# Altium PCB main_board.PcbDoc (part 1 of 2)
Units mil, origin at the board's own origin, x right, y up, seen from the top; angles counter-clockwise.
Board outline 8661.42 x 3543.31 mil, 2 copper layers (Top Layer, Bottom Layer); 79 components, 95 nets, 441 pads, 199 vias.
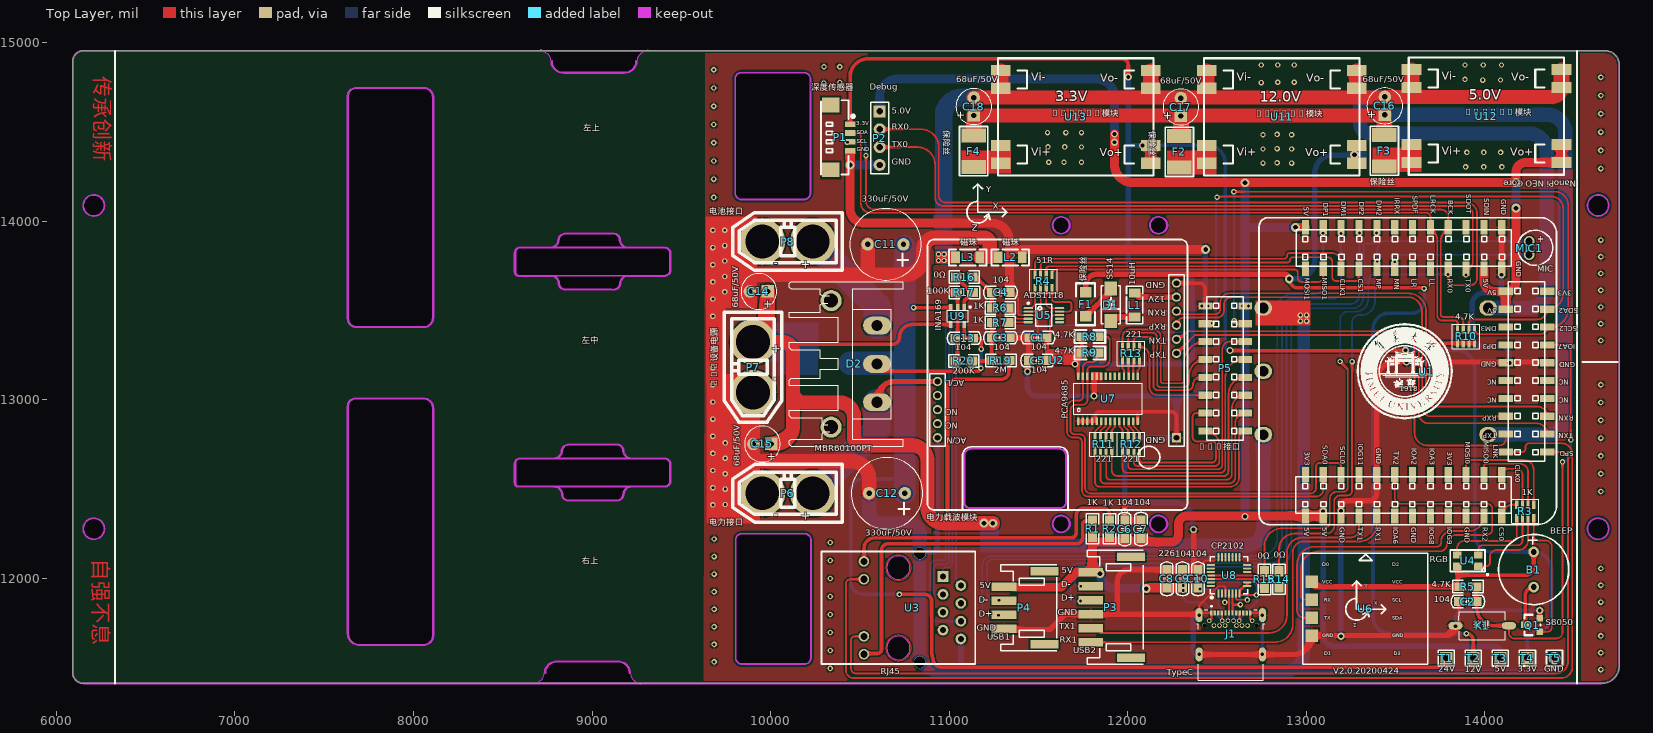
[diagram p0: Top Layer view]
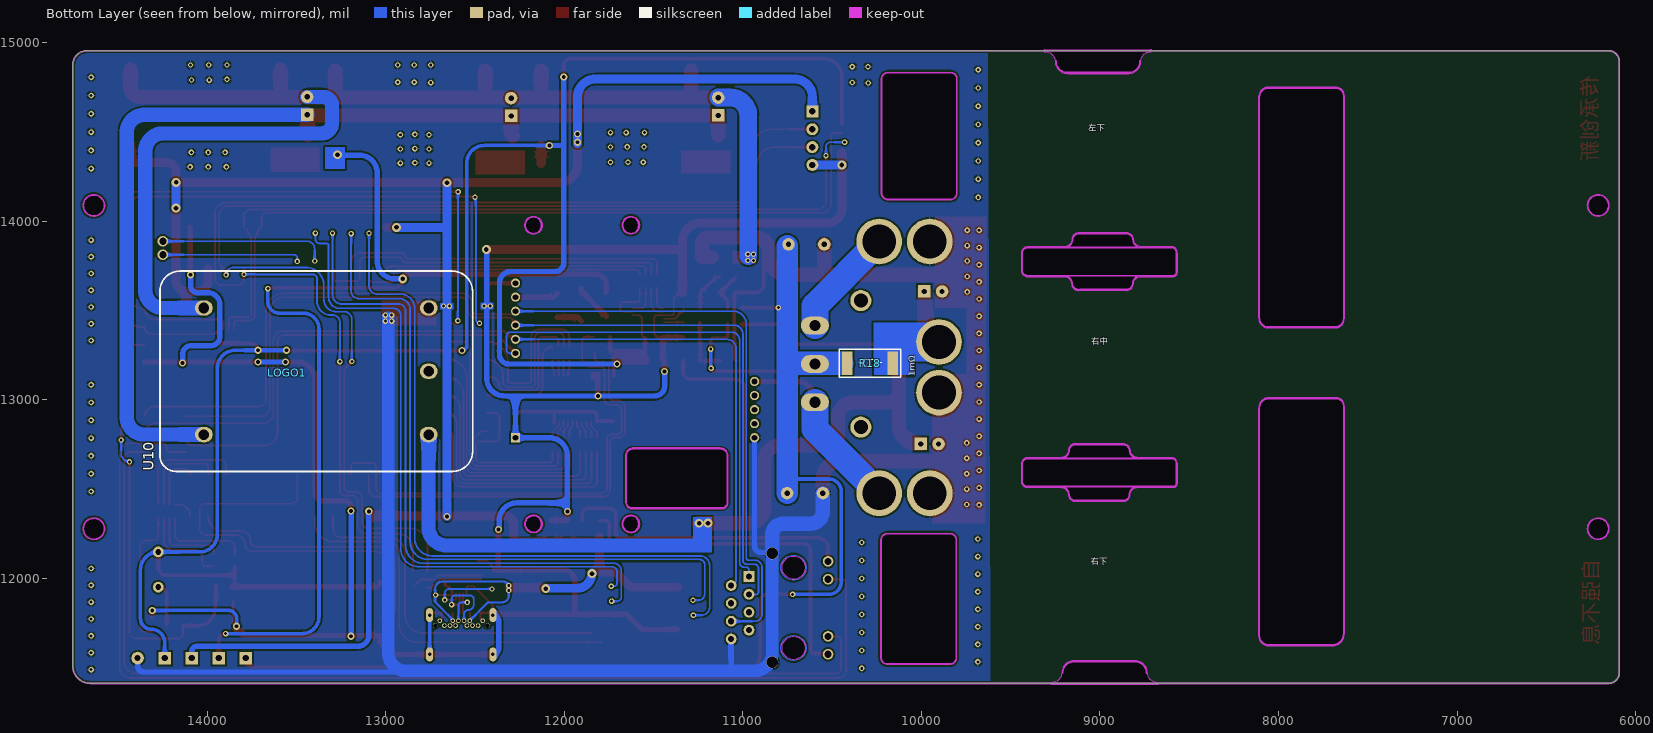
[diagram p1: Bottom Layer view, seen from below]

## Layer stack, top to bottom
Top Solder: solder mask 0.4, Solder Resist, Dk 3.5
Top Layer: signal copper 1.4
Dielectric 1: dielectric 12.6, FR-4, Dk 4.8
Bottom Layer: signal copper 1.4
Bottom Solder: solder mask 0.4, Solder Resist, Dk 3.5

## Board outline
6150.67,11411.02 cw(c6150.67,11470.08) 6091.61,11470.08 6091.61,14895.28 cw(c6150.67,14895.28) 6150.67,14954.33 14674.29,14954.33 cw(c14674.29,14875.59) 14753.03,14875.59 14753.03,11509.45 cw(c14654.61,11509.45) 14654.61,11411.02
cut-out: 7629.91,11689.2 7629.91,12965.72 cw(c7674.71,12965.72) 7674.71,13010.53 8060.12,13010.53 cw(c8060.12,13005.51) 8061.76,13010.25 cw(c8056.18,12954.33) 8112.38,12954.33 8112.38,11678.34 cw(c8056.58,11678.34) 8056.58,11622.54 7696.56,11622.54 cw(c7696.56,11689.2)
cut-out: 7629.91,13454.01 7629.91,14702.71 cw(c7677.88,14702.71) 7677.88,14750.68 8056.18,14750.68 cw(c8056.18,14694.49) 8112.1,14700.07 cw(c8107.36,14698.43) 8112.38,14698.43 8112.38,13457.87 cw(c8056.58,13457.87) 8056.58,13402.07 7681.84,13402.07 cw(c7681.84,13454.01)
cut-out: 14575.87,14088.19 ccw(c14634.92,14088.19) 14634.92,14029.13 ccw(c14634.92,14088.19) 14693.98,14088.19 ccw(c14634.92,14088.19) 14634.92,14147.24 ccw(c14634.92,14088.19)
cut-out: 14575.87,12277.17 ccw(c14634.92,12277.17) 14634.92,12218.11 ccw(c14634.92,12277.17) 14693.98,12277.17 ccw(c14634.92,12277.17) 14634.92,12336.22 ccw(c14634.92,12277.17)
cut-out: 6209.72,12218.11 cw(c6209.72,12277.17) 6150.67,12277.17 cw(c6209.72,12277.17) 6209.72,12336.22 cw(c6209.72,12277.17) 6268.78,12277.17 cw(c6209.72,12277.17)
cut-out: 6209.72,14029.13 cw(c6209.72,14088.19) 6150.67,14088.19 cw(c6209.72,14088.19) 6209.72,14147.24 cw(c6209.72,14088.19) 6268.78,14088.19 cw(c6209.72,14088.19)
cut-out: 8829.73,12466.79 ccw(c8788.9,12467.54) 8829.74,12467.54 ccw(c8788.9,12467.54) 8789.7,12508.37 ccw(c8788.9,12467.54) 8789.66,12508.37 8789.7,12508.37 8590.35,12508.37 cw(c8590.35,12533.07) 8565.65,12533.07 8565.65,12643.31 cw(c8598.23,12643.31) 8598.23,12675.88 8785.6,12675.88 cw(c8786.75,12671) 8786.82,12676.01 ccw(c8787.4,12717.35) 8828.73,12716.76 cw(c8833.75,12716.69) 8828.79,12717.42 cw(c8871.25,12711.19) 8877.1,12753.71 9134.5,12753.71 cw(c9138.25,12714.19) 9177.74,12718.2 cw(c9172.75,12717.69) 9177.76,12717.69 cw(c9172.75,12717.69) 9177.76,12717.6 ccw(c9218.59,12716.85) 9217.84,12676.01 cw(c9217.75,12671) 9218.9,12675.88 9403.49,12675.88 cw(c9403.49,12637.54) 9441.83,12637.54 9441.83,12544.21 cw(c9405.99,12544.21) 9405.99,12508.37 9219.48,12508.37 ccw(c9220.09,12467.04) 9178.76,12467.62 ccw(c9173.75,12467.69) 9178.76,12467.69 9178.76,12467.62 cw(c9173.75,12467.69) 9178.71,12466.97 cw(c9136.25,12473.19) 9130.39,12430.68 8872.99,12430.68 cw(c8869.25,12470.19) 8829.76,12466.19 cw(c8834.75,12466.69)
cut-out: 8811.73,13647.79 ccw(c8770.9,13648.54) 8811.74,13648.54 ccw(c8770.9,13648.54) 8771.66,13689.37 cw(c8771.75,13694.39) 8770.74,13689.47 8590.35,13689.47 cw(c8590.35,13714.17) 8565.65,13714.17 8565.65,13824.41 cw(c8598.23,13824.41) 8598.23,13856.98 8767.19,13856.98 cw(c8767.75,13852) 8767.82,13857.01 ccw(c8768.4,13898.35) 8809.73,13897.76 cw(c8814.75,13897.69) 8809.79,13898.42 cw(c8852.25,13892.19) 8858.1,13934.71 9115.5,13934.71 cw(c9119.25,13895.19) 9158.74,13899.2 cw(c9153.75,13898.69) 9158.76,13898.69 cw(c9153.75,13898.69) 9158.76,13898.6 ccw(c9199.59,13897.85) 9198.84,13857.01 cw(c9198.75,13852) 9199.31,13856.98 9403.49,13856.98 cw(c9403.49,13818.65) 9441.83,13818.65 9441.83,13725.31 cw(c9405.99,13725.31) 9405.99,13689.47 9203.76,13689.47 cw(c9202.75,13694.39) 9202.68,13689.37 ccw(c9202.09,13648.04) 9160.76,13648.62 ccw(c9155.75,13648.69) 9160.76,13648.69 9160.76,13648.62 cw(c9155.75,13648.69) 9160.71,13647.97 cw(c9118.25,13654.19) 9112.39,13611.68 8854.99,13611.68 cw(c8851.25,13651.19) 8811.76,13647.19 cw(c8816.75,13647.69)
cut-out: 8674.49,11405.68 cw(c8674.75,11410.69) 8675.01,11415.7 ccw(c8677.92,11471.36) 8733.57,11468.32 cw(c8803.47,11468.19) 8803.47,11538.09 9144.96,11538.09 cw(c9144.96,11468.19) 9214.86,11468.24 ccw(c9268.38,11469.56) 9269.6,11416.04 ccw(c9268.38,11469.56) 9269.63,11416.04 9269.6,11416.04 cw(c9269.75,11411.02) 9274.76,11411.02 cw(c9269.75,11411.02) 9273.28,11407.46 cw(c9269.75,11411.02) 9269.87,11406.01 cw(c9268.38,11469.56) 9267.66,11406 ccw(c9269.42,11410.69) 9272.96,11407.15
cut-out: 9310.51,14959.32 cw(c9310.25,14954.31) 9309.99,14949.3 ccw(c9307.08,14893.64) 9251.43,14896.68 cw(c9181.53,14896.81) 9181.53,14826.91 8840.04,14826.91 cw(c8840.04,14896.81) 8770.14,14896.76 ccw(c8716.62,14895.44) 8715.4,14948.96 ccw(c8716.62,14895.44) 8715.37,14948.96 8715.4,14948.96 cw(c8715.25,14953.98) 8710.24,14953.98 cw(c8715.25,14953.98) 8711.72,14957.54 cw(c8715.25,14953.98) 8715.13,14958.99 cw(c8716.62,14895.44) 8717.34,14959 ccw(c8715.58,14954.31) 8712.04,14957.85
cut-out: 11631.38,13929.87 cw(c11631.38,13977.12) 11584.13,13977.12 cw(c11631.38,13977.12) 11631.38,14024.36 cw(c11631.38,13977.12) 11678.62,13977.12 cw(c11631.38,13977.12)
cut-out: 12176.65,13929.87 cw(c12176.65,13977.12) 12129.41,13977.12 cw(c12176.65,13977.12) 12176.65,14024.36 cw(c12176.65,13977.12) 12223.9,13977.12 cw(c12176.65,13977.12)
cut-out: 12176.65,12256.85 cw(c12176.65,12304.09) 12129.41,12304.09 cw(c12176.65,12304.09) 12176.65,12351.34 cw(c12176.65,12304.09) 12223.9,12304.09 cw(c12176.65,12304.09)
cut-out: 11631.38,12256.85 cw(c11631.38,12304.09) 11584.13,12304.09 cw(c11631.38,12304.09) 11631.38,12351.34 cw(c11631.38,12304.09) 11678.62,12304.09 cw(c11631.38,12304.09)
cut-out: 9801.94,14155.86 9801.94,14798.65 cw(c9834.94,14798.65) 9834.94,14831.65 10186.95,14831.65 cw(c10186.95,14795.23) 10223.36,14795.23 10223.36,14158.46 cw(c10186.36,14158.46) 10186.36,14121.46 9836.34,14121.46 cw(c9836.34,14155.86)
cut-out: 9804.94,11553 9804.94,12216.39 cw(c9837.94,12216.39) 9837.94,12249.39 10189.95,12249.39 cw(c10189.95,12212.97) 10226.36,12212.97 10226.36,11556.2 cw(c10189.36,11556.2) 10189.36,11519.2 9839.34,11519.2 cw(c9839.34,11553.6)

## Design rules (kind name [scope] priority, off if disabled: settings)
Clearance Clearance_1 [All] p1: gap=10
PolygonConnect [All] p1: connectstyle=Relief reliefconductorwidth=10 reliefentries=4 polygonreliefangle="90 Angle" airgapwidth=10
RoutingVias [All] p1: holewidth=28 width=50 viastyle="Through Hole" minholewidth=28 minwidth=50 maxholewidth=28 maxwidth=50
SolderMaskExpansion [All] p1: expansion=4
Width [All] p1: maxlimit=200 minlimit=5 preferedwidth=10 minimp=50.000000 maximp=50.000000 favimp=50.000000
30 further rules are at their usual default settings.

## Classes and differential pairs
component class core: D1 F1 L1 R1 R2 U1 U2 U3
component class power: C11 C12 C13 C14 C15 C16 C17 C18 D2 F2 F3 F4 F? L2 L3 P6 P7 P8 R16 R17 R18 R19 R20 T1 T2 T3 T4 T5 U9 U10 U11 U12 U13 U?
component class devices: B1 C1 C2 C3 C4 C5 C6 C7 C8 C9 C10 J1 K1 MIC1 P1 P2 P3 P4 P5 Q1 R3 R4 R5 R6 R7 R8 R9 R10 R11 R12 R13 R14 R15 R? U4 U5 U6 U7 U8
component class main: LOGO1

## Components (designator, comment, footprint, x,y, rotation, side; value= is the part's Value field where it differs from the comment)
B1 "BEEP" BUZZER 14274,12049 r270 top
C1 "104" 0805C 11547,13343 r180 top
C2 "104" 0805C 13856,11874 r0 top
C3 "104" 0805C 11337.18,13342.39 r180 top
C4 "104" 0805C 11337.18,13596.39 r180 top
C5 "104" 0805C 11447,13224 r0 top
C6 "104" 0805C 11979,12226 r90 top
C7 "104" 0805C 12070,12226 r90 top
C8 "226" 0805C 12224,12046 r270 top
C9 "104" 0805C 12312,12046 r270 top
C10 "104" 0805C 12398,12046 r270 top
C11 "330uF/50V" RB.2.4 10744.09,13870.08 r180 top
C12 "330uF/50V" RB.2.4 10751.97,12476.38 r180 top
C13 "104" 0805C 11035,13349 r0 top
C14 "68uF/50V" RB.1.2 9984.25,13606.3 r180 top
C15 "68uF/50V" RB.1.2 10003.94,12751.97 r180 top
C16 "68uF/50V" RB.1.2 13440,14596 r90 top
C17 "68uF/50V" RB.1.2 12298,14589 r90 top
C18 "68uF/50V" RB.1.2 11138,14592 r90 top
D1 "SS14" SMA/DO-214AC 11904,13615 r270 top
D2 "MBR60100PT" TO-247LS 10338.58,12846.46 r90 top
F1 "保险丝" FUSE-1206 11764,13597 r270 top
F2 "保险丝" FUSE-1812 12286,14473 r270 top
F3 "保险丝" FUSE-1812 13434,14479 r270 top
F4 "保险丝" FUSE-1812 11134,14477 r270 top
J1 "TypeC" Type_C-UJ31-CH-G2-SMT-TR(Primary) 12469,11806 r0 top
K1 "按键" 贴片按键 14130,11737 r180 top
L1 "10uH" 1206L 12041,13464 r90 top
L2 "磁珠" 1206L 11408,13798.78 r180 top
L3 "磁珠" 1206L 11038,13795 r0 top
LOGO1 "" JMU_LOGO(1.35cm) 13553.15,13149.61 r0 bottom
MIC1 "MIC" MIC 14283,13851 r0 top
P1 "深度传感器" MX1.25S-4P 10335,14651 r270 top
P2 "Debug" "Header 4(排母)" 10610.24,14616.14 r270 top
P3 "USB2" PH2.0WS-6P 11847,11849 r90 top
P4 "USB1" PH2.0WS-4P 11462,11828 r90 top
P5 "PWM接口" HDR2X8/2.54-SMD 12496,12831 r90 top
P6 "电力接口" XT60-F 10255.91,12476.38 r180 top
P7 "24V设备电源" XT60-F 9901.57,13342.52 r270 top
P8 "电池接口" XT60-F 10255.91,13885.83 r180 top
Q1 "S8050" SOT-23 14302,11703 r90 top
R1 "1K" 0805R#1 11804,12226 r90 top
R2 "1K" 0805R#1 11899,12226 r90 top
R3 "1K" 排阻(4位贴片) 14180,12339 r90 top
R4 "51R" 排阻(4位贴片) 11481.61,13627.01 r90 top
R5 "4.7K" 0805R#1 13957,11953 r180 top
R6 "1K" 0805R#1 11337.18,13514.39 r180 top
R7 "1K" 0805R#1 11337.18,13432.39 r180 top
R8 "4.7K" 0805R#2 11829,13354 r180 top
R9 "4.7K" 0805R#2 11829,13263 r180 top
R10 "4.7K" 排阻(4位贴片) 13942,13390 r270 top
R11 "221" 排阻(4位贴片) 11910.45,12786.44 r270 top
R12 "221" 排阻(4位贴片) 12065.45,12786.44 r270 top
R13 "221" 排阻(4位贴片) 11971.95,13223.44 r90 top
R14 "0Ω" 0805R#1 12848,11943 r90 top
R15 "0Ω" 0805R#1 12766,11942 r90 top
R16 "0Ω" 0805R#1 11136,13687 r180 top
R17 "100K" 0805R#1 11137,13601 r180 top
R18 "1mΩ" 2512R 10161.42,13204.72 r0 bottom
R19 "2M" 0805R#1 11341,13220 r180 top
R20 "200K" 0805R#1 11133,13218 r180 top
T1 "24V" "HEADER 1"#1 13789,11553 r0 top
T2 "12V" "HEADER 1"#1 13940.5,11553 r0 top
T3 "5V" "HEADER 1"#1 14092,11553 r0 top
T4 "3.3V" "HEADER 1"#1 14243.5,11553 r0 top
T5 "GND" "HEADER 1"#2 14395,11553 r0 top
U1 "NanoPi NEO Core" "NanoPi NEO Core" 13738.74,12170 r270 top locked
U2 "电力载波模块" 电力载波模块6410 12315,12382 r180 top locked
U3 "RJ45" RJ45 10715,11601 r90 top
U4 "RGB" RGB-3528 13846,12129 r0 top
U5 "ADS1118" VSSOP-10 11442.99,13512.39 r0 top
U6 "9轴加速度计模块" 9轴加速度计 13025,12087 r0 top
U7 "PCA9685" TSSOP-28 11728.45,12874.44 r90 top
U8 "CP2102" QFN-28 12492,11941 r90 top
U9 "INA169" SOT23-5 11083,13518 r180 top
U10 "MT2200PD" MT2200PD-6A 12759,12805 r0 bottom locked
U11 "MP1584模块" MP1584电源模块 12499,14745 r0 top
U12 "MP1584模块" MP1584电源模块 13646,14750 r0 top
U13 "MP1584模块" MP1584电源模块 11346,14745 r0 top

## Footprints (in the part's own frame and the unit in brackets; to place one, negate y for a bottom-side part, rotate by r counter-clockwise, add the part's x,y. Pads: shape width x height; smd on the part's side, far side on the other; paste and mask are expansions set on the pad)
9轴加速度计 [mm]
  rect 0x0 smd: 1(0.15,-0.198) 6(0.15,-12.898) 7(15.39,-12.898) 8(15.39,-10.358) 9(15.39,-7.818) 10(15.39,-5.278) 11(15.39,-2.738) 12(15.39,-0.198)
  rect 1.778x1.778 smd: 2(0.15,-2.738) 3(0.15,-5.278) 4(0.15,-7.818) 5(0.15,-10.358)
  silkscreen extent -1.12,-14.48 16.69,1.35, body extent -0.25,-14.49 15.8,1.39, height 2.2
0805C [mm]
  rect 1.35x1.25 smd: 1(-0.025,-0.112) 2(2.515,-0.112)
  silkscreen extent -1.15,-1 3.64,0.78, body extent -0.03,-0.75 2.48,0.5, height 0.79
0805R#1 [mil]
  rect 60x50 smd: 1(6.34,0.5) 2(96.34,0.5)
  silkscreen extent -34,-34 136,36, body extent 2,-24 101,25, height 31
0805R#2 [mil]
  rect 60x50 smd: 1(-4.51,1.2) 2(85.49,1.2)
  silkscreen extent -46,-36 126,37, body extent -6,-25 84,29, height 30
1206L [mil]
  rect 50x65 smd: 1(-1.59,1.89) 2(133.41,1.89)
  silkscreen extent -39,-43 171,47, body extent 3,-28 129,35, height 35
2512R [mil]
  rect 61x129.92 smd: 1(-1.11,1) 2(253.89,1)
  silkscreen extent -45,-78 298,80, body extent 2,-64 251,62, height 24
BUZZER [mil]
  round 60 hole 32 mask+0: 1(-98.43,0) 2(98.43,0)
  silkscreen extent -197,-197 197,197, body extent -240,-236 233,236, height 354
FUSE-1206 [mm]
  rect 1.524x1.6 smd: 1(-0.13,0.019) 2(3.299,0.019)
  silkscreen extent -1.4,-1.35 4.57,1.37, body extent -0.25,-0.77 2.95,0.84, height 0.87
FUSE-1812 [mm]
  rect 2x3.5 smd: 1(-0.1,0.086) 2(4.4,0.086)
  silkscreen extent -1.35,-1.91 5.65,2.09, body extent -0.26,-1.52 4.56,1.7, height 1.32
HDR2X8/2.54-SMD [mm]
  rect 1.02x1.9 smd: 1(-0.146,-4.117) 2(-0.146,1.583) 3(2.394,-4.117) 4(2.394,1.583) 5(4.934,-4.117) 6(4.934,1.583) 7(7.474,-4.117) 8(7.474,1.583) 9(10.014,-4.117) 10(10.014,1.583) 11(12.554,-4.117) 12(12.554,1.583) 13(15.094,-4.117) 14(15.094,1.583) 15(17.634,-4.117) 16(17.634,1.583)
  silkscreen extent -1.49,-3.87 18.96,1.33, body extent -1.48,-4.36 18.9,2.03, height 5.15
"HEADER 1"#1 [mil]
  rect 70x70 hole 35: 1(-5,0)
  silkscreen extent -50,-45 40,44
"HEADER 1"#2 [mil]
  round 70 hole 35: 1(-5,0)
  silkscreen extent -50,-45 40,44
"Header 4(排母)" [mm]
  rect 1.7x1.7 hole 0.9: 1(0.035,0.015)
  round 1.7 hole 0.9: 2(2.575,0.015) 3(5.115,0.015) 4(7.655,0.015)
  silkscreen extent -1.23,-1.25 8.93,1.29, body extent -1.23,-1.25 8.93,1.29, height 8.5
JMU_LOGO(1.35cm) [mil]
MIC [mm]
  round 1.5 hole 1.016: 1(-0.875,0.925) 2(-0.875,-1)
  silkscreen extent -2.52,-2.5 2.47,2.5, body extent -3.1,-2.97 2.9,3.02, height 2.21
MP1584电源模块 [mm]
  rect 2.8x1.6 smd: 1(-1.441,-0.032) 1(-1.441,2.519) 2(-1.441,-10.7) 2(-1.441,-8.16) 3(19.901,-10.7) 3(19.901,-8.16) 4(19.901,-0.032) 4(19.901,2.508)
  silkscreen extent -1.82,-12.45 20.28,4.26, body extent -1.97,-12.42 20.3,4.18, height 4.65
MT2200PD-6A [mm]
  oval 2.54x2.2 hole 1.5: 1(0.025,0) 2(0,-9) 3(0,-18) 5(32,0)
  oval 2.54x2.184 hole 1.5: 4(32,-18)
  silkscreen extent -6.25,-23.25 38.25,5.25, body extent -6.25,-23.25 38.25,5.25, height 22
MX1.25S-4P [mm]
  rect 2.1x2.5 smd: 0(0.001,0.04) 0(9.237,0.04)
  rect 0.8x1.5 smd: 1(2.744,2.807) 2(3.994,2.807) 3(5.244,2.807) 4(6.494,2.807)
  silkscreen extent -0.66,-1.36 9.9,3.42, body extent -0.39,-1.2 9.76,2.9, height 4.7
"NanoPi NEO Core" [mm]
  rect 2.1x1.02 smd: 1(-45.612,-18.878) 2(-39.712,-18.878) 3(-45.612,-16.338) 4(-39.712,-16.338) 5(-45.612,-13.798) 6(-39.712,-13.798) 7(-45.612,-11.258) 8(-39.712,-11.258) 9(-45.612,-8.718) 10(-39.712,-8.718) 11(-45.612,-6.178) 12(-39.712,-6.178) 13(-45.612,-3.638) 14(-39.712,-3.638) 15(-45.612,-1.098) 16(-39.712,-1.098) 17(-45.612,1.442) 18(-39.712,1.442) 19(-45.612,3.982) 20(-39.712,3.982) 21(-45.612,6.522) 22(-39.712,6.522) 23(-45.612,9.062) 24(-39.712,9.062) 25(-10.45,-18.883) 26(-4.55,-18.883) 27(-10.45,-16.343) 28(-4.55,-16.343) 29(-10.45,-13.803) 30(-4.55,-13.803) 31(-10.45,-11.263) 32(-4.55,-11.263) 33(-10.45,-8.723) 34(-4.55,-8.723) 35(-10.45,-6.183) 36(-4.55,-6.183) 37(-10.45,-3.643) 38(-4.55,-3.643) 39(-10.45,-1.103) 40(-4.55,-1.103) 41(-10.45,1.437) 42(-4.55,1.437) 43(-10.45,3.977) 44(-4.55,3.977) 45(-10.45,6.517) 46(-4.55,6.517) 47(-10.45,9.057) 48(-4.55,9.057)
  rect 1.02x2.1 smd: 49(-13.641,9.625) 50(-13.641,15.525) 51(-16.181,9.625) 52(-16.181,15.525) 53(-18.721,9.625) 54(-18.721,15.525) 55(-21.261,9.625) 56(-21.261,15.525) 57(-23.801,9.625) 58(-23.801,15.525) 59(-26.341,9.625) 60(-26.341,15.525) 61(-28.881,9.625) 62(-28.881,15.525) 63(-31.421,9.625) 64(-31.421,15.525) 65(-33.961,9.625) 66(-33.961,15.525) 67(-36.501,9.625) 68(-36.501,15.525)
  silkscreen extent -46.97,-25.48 -3.3,16.85, body extent -45.96,-20.21 -4.4,15.67, height 5.15
PH2.0WS-4P [mm]
  rect 1.2x4 smd: 0(-5.033,-1.822) 0(5.367,-1.822)
  rect 1.2x3.5 smd: 1(3.167,3.928) 2(1.167,3.928) 3(-0.833,3.928) 4(-2.833,3.928)
  silkscreen extent -5.93,-3.59 6.26,4.41, body extent -5.91,-3.06 6.09,4.74, height 6.15
PH2.0WS-6P [mm]
  rect 1.2x4 smd: 0(-7.495,-4.363) 0(6.905,-4.363)
  rect 1.2x3.5 smd: 1(-5.295,1.387) 2(-3.295,1.387) 3(-1.295,1.387) 4(0.705,1.387) 5(2.705,1.387) 6(4.705,1.387)
  silkscreen extent -8.39,-6.13 7.8,1.87, body extent -8.54,-5.98 7.46,1.82, height 6.15
QFN-28 [mm] "CP2102  USB转串口芯片"
  rect 0x0 smd mask+0.051: 0(1.909,-1.918)
  oval 1.2x0.28 smd mask+0.051: 1(-0.668,-0.418) 2(-0.668,-0.918) 3(-0.668,-1.418) 4(-0.668,-1.918) 5(-0.668,-2.418) 6(-0.668,-2.918) 7(-0.668,-3.418) 15(4.486,-3.418) 16(4.486,-2.918) 17(4.486,-2.418) 18(4.486,-1.918) 19(4.486,-1.418) 20(4.486,-0.918) 21(4.486,-0.418)
  oval 0.28x1.2 smd mask+0.051: 8(0.409,-4.495) 9(0.909,-4.495) 12(2.409,-4.495) 13(2.909,-4.495) 14(3.409,-4.495) 22(3.409,0.66) 23(2.909,0.66) 24(2.409,0.66) 25(1.909,0.66) 26(1.409,0.66) 27(0.909,0.66) 28(0.409,0.66)
  round 0 smd mask+0.051: 10(1.409,-4.495) 11(1.909,-4.495)
  silkscreen extent -1.39,-4.57 4.56,0.73, body extent -0.58,-4.42 4.42,0.58, height 1
RB.1.2 [mil]
  rect 70x70 hole 30: 1(0,0)
  round 70 hole 30: 2(100,0)
  silkscreen extent -50,-100 150,100, body extent -28,-73 130,85, height 278
RB.2.4 [mil]
  round 70 hole 30: 1(0,0) 2(200,0)
  silkscreen extent -100,-200 300,200, body extent -110,-218 316,207, height 512
RGB-3528 [mm]
  rect 1.2x1 smd: 1(-0.029,0.03) 2(-0.029,-1.57) 3(2.971,0.03) 4(2.971,-1.57)
  silkscreen extent -1.01,-2.87 4.42,0.76, body extent -0.32,-2.2 3.18,0.6, height 1.9
RJ45 [mil]
  rect 60x60 hole 35: 1(408.65,-250.74)
  round 60 hole 35: 2(358.65,-350.74) 3(308.65,-250.74) 4(258.65,-350.74) 5(208.65,-250.74) 6(158.65,-350.74) 7(108.65,-250.74) 8(58.65,-350.74)
  round 59.06 hole 40.16: 9(493.29,192.17) 12(-26.39,192.17)
  round 59.05 hole 40.16: 10(393.45,192.17) 11(73.45,192.17)
  round 66.93 hole 64.96: 13(538.57,-120.74) 14(-71.67,-120.74)
  round 116.14 hole 127.95: MH3(8.42,-1.24) MH3(458.42,-1.24)
  Keep-Out Layer circle w2: c8.49,-0.74 r64.96
  Keep-Out Layer circle w2: c458.49,-0.74 r64.96
  Multi-Layer circle w5: c458.42,-1.24 r70.8
  Multi-Layer circle w5: c8.42,-1.24 r70.8
  silkscreen extent -82,-431 548,429, body extent -82,-417 543,425, height 551
SMA/DO-214AC [mm]
  rect 2x1.75 smd: 1(-0.178,0.025) 2(4.422,0.025)
  silkscreen extent -0.58,-1.32 4.82,1.38, body extent -0.38,-1.32 4.73,1.35, height 2.12
SOT23-5 [mm]
  rect 0.5x1 smd: 1(-0.051,0.051) 2(0.899,0.051) 3(1.849,0.051) 4(1.849,2.451) 5(-0.051,2.451)
  silkscreen extent -0.99,-0.15 2.4,2.05, body extent -0.55,-0.15 2.35,2.65, height 1.09
SOT-23 [mil]
  rect 36x36 smd: 1(-2.52,-5.16) 2(72.48,-5.16)
  rect 36x50 smd: 3(35.48,74.84)
  silkscreen extent -23,-10 92,80, body extent -22,-18 92,92, height 47
TO-247LS [mm]
  round 3 hole 2: 0(-0.008,-0.02) 0(17.992,-0.02)
  oval 2.54x4 hole 1.575: 1(3.542,-6.552) 2(8.992,-6.552) 3(14.442,-6.552)
  silkscreen extent -2.71,-10.25 20.69,5.95, body extent -2.46,-10.33 20.44,6.07, height 30.62
TSSOP-28 [mm]
  rect 1.1x0.35 smd: 1(0.134,0.126) 2(0.134,-0.524) 3(0.134,-1.174) 4(0.134,-1.824) 5(0.134,-2.474) 6(0.134,-3.124) 7(0.134,-3.774) 8(0.134,-4.424) 9(0.134,-5.074) 10(0.134,-5.724) 11(0.134,-6.374) 12(0.134,-7.024) 13(0.134,-7.674) 14(0.134,-8.324) 15(6.534,-8.324) 16(6.534,-7.674) 17(6.534,-7.024) 18(6.534,-6.374) 19(6.534,-5.724) 20(6.534,-5.074) 21(6.534,-4.424) 22(6.534,-3.774) 23(6.534,-3.124) 24(6.534,-2.474) 25(6.534,-1.824) 26(6.534,-1.174) 27(6.534,-0.524) 28(6.534,0.126)
  silkscreen extent 1.13,-8.95 5.53,0.75, body extent 0.15,-8.95 6.55,0.75, height 0.92
Type_C-UJ31-CH-G2-SMT-TR(Primary) [mm]
  rect 0.35x0.7 smd: A1(0,0) A2(0.5,0) A3(1,0) A4(1.5,0) A5(2,0) A6(2.5,0) A7(3,0) A8(3.5,0) A9(4,0) A10(4.5,0) A11(5,0) A12(5.5,0)
  round 0.65 hole 0.4: B1(5.8,-1.11) B2(5.15,-1.81) B3(4.35,-1.81) B4(3.95,-1.11) B5(3.55,-1.81) B6(3.15,-1.11) B7(2.35,-1.11) B8(1.95,-1.81) B9(1.55,-1.11) B10(1.15,-1.81) B11(0.35,-1.81) B12(-0.3,-1.11)
  round 0.65 hole 0.65 unplated: None(-0.975,-1.81) None(6.475,-1.81)
  oval 1x2 hole 0.5: SH1(-1.75,-0.31) SH2(7.25,-0.31) SH3(-1.75,-5.91) SH4(7.25,-5.91)
  silkscreen extent -2.07,-9.56 7.57,1.04, body extent -2.06,-9.61 7.65,0.39, height 4.5
VSSOP-10 [mm]
  oval 1.35x0.3 smd: 1(0,0.008) 2(0,-0.492) 3(0,-0.992) 4(0,-1.492) 5(0,-1.992) 6(4.45,-1.992) 7(4.45,-1.492) 8(4.45,-0.992) 9(4.45,-0.492) 10(4.45,0.008)
  silkscreen extent -0.12,-2.54 3.37,0.83, body extent -0.24,-2.48 4.69,0.53, height 1.1
XT60-F [mm]
  round 6.5 hole 4.8: 1(0.489,0) 2(7.689,0)
  silkscreen extent -3.71,-4.1 11.89,4.1, body extent -3.81,-4.06 12.09,4.09, height 16.5
排阻(4位贴片) [mm]
  rect 1.22x0.45 smd: 1(-0.051,0.013) 2(1.869,0.013) 3(-0.051,-0.787) 4(1.869,-0.787) 5(-0.051,-1.587) 6(1.869,-1.587) 7(-0.051,-2.387) 8(1.869,-2.387)
  silkscreen extent -0.81,-3.14 2.64,0.76, body extent 0.1,-2.79 1.7,0.41, height 0.59
电力载波模块6410 [mm]
  round 1.3 hole 0.8: 0(35.059,-16.289) 7(1.059,-22.289) 8(1.059,-24.289) 9(1.059,-26.289) 10(1.059,-28.289) 11(1.059,-30.289) 12(1.059,-32.289) 13(35.059,-18.289) 14(35.059,-14.289) 15(35.059,-12.289) 16(35.059,-10.289)
  rect 1.3x1.3 hole 0.8: 1(1.059,-10.289)
  round 0 all layers, no hole: 2(1.059,-12.289) 3(1.059,-14.289) 4(1.059,-16.289) 5(1.059,-18.289) 6(1.059,-20.289)
  Keep-Out Layer board cut-out: 16.655,-7.747 16.653,-7.734 16.652,-7.721 16.652,-7.721 16.652,-1.19 16.652,-1.184 16.652,-1.179 16.652,-1.179 16.804,-0.665 17.188,-0.292 17.706,-0.156 17.706,-0.156 30.367,-0.156 30.367,-0.156 30.862,-0.289 31.224,-0.651 31.357,-1.146 31.357,-1.146 31.357,-7.712 31.356,-7.726 31.354,-7.74 31.354,-7.74 31.169,-8.294 30.741,-8.691 30.175,-8.836 30.175,-8.836 17.729,-8.836 17.707,-8.834 17.685,-8.828 17.685,-8.828 17.685,-8.828 17.182,-8.646 16.813,-8.258 16.655,-7.747
  Keep-Out Layer lines w0.254: 31.229,-7.654 cw(c30.175,-7.654) 30.175,-8.708 17.729,-8.708 ; 31.229,-7.712 31.229,-1.146 ccw(c30.367,-1.146) 30.367,-0.283 17.706,-0.283 ccw(c17.706,-1.21) 16.779,-1.21 ; 17.821,-8.708 cw(c17.821,-7.667) 16.779,-7.667 ; 16.779,-1.19 16.779,-7.721
  silkscreen extent -0.5,-38.5 36.5,0, body extent -0.15,-33.42 36.3,-8.87, height 4.35
贴片按键 [mil]
  oval 80x40 smd: 1(-5.71,2.8) 2(294.29,2.8)
  silkscreen extent 14,-76 274,82, body extent 24,-69 264,77, height 98

## Part data
C1 C2 C3 C4 C5 C6 C7 C8 C9 C10 C13: library part Cap1, "无极贴片电容"
C11 C12 C14 C15 C16 C17 C18: library part Cap3, "直插极性电容"
D1: library part Diode, "二极管"
F1 F2 F3 F4: library part Fuse
J1: library part Type_C-24P-UJ31-CH-G2-SMT-TR, "UJ31 Series Single Port 24 Contact Horizontal SMT Shielded USB-C 3.1 Receptacle"
K1: library part 贴片按键, "轻触开关"
L1 L2 L3: library part L, "电感"
LOGO1: library part JMU_LOGO, "LOGO"
P1: library part 接线端子-4PIN, "4PIN"
P2: library part "Header 4", "排针"
P3: library part 接线端子-6PIN, "6PIN"
P4: library part USB
P5: library part "Header 2X8"
P6 P8: library part 电源端子
P7: library part 推进器电源
Q1: library part NPN, "NPN三极管"
R1 R2 R5 R6 R7 R8 R9 R14 R15 R16 R17 R18: library part Res, "电阻"
R3 R4 R10 R11 R12 R13: library part Res-4, "排阻"
R19 R20: library part R1
T1 T2 T3 T4 T5: library part 测试点, "测试点"
U2: library part 电力载波模块6410
U6: library part 9轴加速度计
U8: "USB转串口芯片"
U11 U12 U13: library part MP1584电源模块

## Via types
v1: diameter 30, hole 16, Top Layer to Bottom Layer, 165 vias
v2: diameter 40, hole 22, Top Layer to Bottom Layer, 22 vias
v3: diameter 50, hole 26, Top Layer to Bottom Layer, 12 vias

## Nets (pads, with @x,y where several pads share a name; then routed paths per layer and width w, separated by ;. In a path a pad name is that pad's centre, name@x,y a point inside that pad or via, vN(x,y) a via of type N, cw(c..) or ccw(c..) an arc to the next point about the centre after c; other vN are vias at no path point)
ADCIN0: C4.2 R6.2 R16.1 | length 232
  Top Layer w10: R6.2@11238.17,13516.56 R6.2@11240.84,13513.89
  Top Layer w20: R16.1@11129.66,13686.5 11152.47,13686.5 C4.2@11238.17,13600.81 R6.2@11238.17,13516.56
ADCIN1: C3.2 R7.2 R19.2 R20.1 | length 333.4
  Top Layer w10: C3.2@11238.17,13346.81 C3.2@11240.84,13349.48
  Top Layer w20: R20.1@11126.66,13217.5 11242.66,13217.5 11238.17,13221.99 C3.2@11238.17,13346.81 ; C3.2@11240.84,13349.48 R7.2@11240.84,13431.89
BATTERY_24V: D2.3 P8.1 | length 619.9
  Bottom Layer w150: P8.1@10236.64,13885.83 10596.54,13525.93 D2.3@10596.54,13415.02
BEEP(C0): R3.8 U1.43 | length 672.6
  Top Layer w10: U1.43@13895.32,12581.42 13895.32,12631.62 cw(c13925.7,12631.62) 13925.7,12662 14220.36,12662 cw(c14220.36,12608.37) 14273.99,12608.37 R3.8@14273.99,12412.59
CP_USB_D+: J1.A6 J1.B6 U8.4 | length 276.2
  Top Layer w10: v1(12544,11865) 12567.5,11865 ; J1.A6@12567.5,11806 12567.5,11865 ; U8.4@12567.5,11914.68 12567.5,11865
  Bottom Layer w10: v1(12544,11865) 12575,11865 cw(c12575,11846.98) 12593.02,11846.98 J1.B6@12593.02,11762.3
CP_USB_D-: J1.A7 J1.B7 U8.5 | length 483.9
  Top Layer w10: J1.A7@12587.11,11806 12587.18,11806 12587.18,11851 ; U8.5@12587.18,11914.68 12587.18,11851 ; v1(12631,11852) 12588.18,11852 ccw(c12588.18,11851) 12587.18,11851
  Bottom Layer w10: J1.B7@12561.52,11762.3 12561.52,11798.48 ccw(c12538,11798.48) 12538,11822 cw(c12538,11853) 12507,11853 12507,11882 cw(c12529,11882) 12529,11904 12611,11904 cw(c12611,11884) 12631,11884 v1(12631,11852)
DGND: C1.2 C2.1 C3.1 C4.1 C5.1 C6.2 C7.2 C8.1 C9.1 C10.1 J1.A1 J1.A12 J1.B1 J1.B12 J1.SH1 J1.SH2 J1.SH3 J1.SH4 K1.2 L2.1 P1.4 P2.4 P3.3 P4.4 P5.16 Q1.2 U1.23 U1.24 U1.30 U1.33 U1.59 U1.60 U2.1 U2.12 U5.3 U6.5 U7.1 U7.2 U7.3 U7.4 U7.5 U7.14 U7.23 U7.24 U7.25 U8.3 | length 17449.6
  Top Layer w10: C4.1@11338.17,13600.81 cw(c11338.17,13551.85) 11387.12,13551.85 11387.12,13483.71 ccw(c11397.5,13483.71) 11397.5,13473.33 U5.3@11442.99,13473.33 11481.67,13473.33 cw(c11481.67,13459) 11496,13459 11496,13375.68 cw(c11467.74,13375.68) 11467.74,13347.42 C1.2@11447.98,13347.42 ; C10.1@12393.58,12046.98 12393.58,12058.58 12433,12098 12485.65,12098 ; J1.B12@12457.19,11762.3 ccw(c12457.19,11774.11) 12469,11774.11 J1.A1@12469,11806 12412.31,11806 ccw(c12412.31,11793.8) J1.SH1@12400.1,11793.8 12400.1,11848.1 12507,11955 12536,11955 cw(c12536,11943.19) 12547.81,11943.19 U8.3@12547.81,11914.68 ; J1.B1@12697.35,11762.3 cw(c12697.35,11774.11) 12685.54,11774.11 J1.A12@12685.54,11806 12742.23,11806 cw(c12742.23,11793.8) J1.SH2@12754.43,11793.8
  Top Layer w15: K1.2@13835.71,11734.2 ccw(c13835.71,11753.51) 13855.02,11753.51 C2.1@13855.02,11869.58
  Top Layer w20: C5.1@11438,13211.56 cw(c11446.02,13211.56) C5.1@11446.02,13219.58 ccw(c11446.02,13221.55) C5.1@11447.98,13221.55 ; C1.2@11447.37,13346.81 C1.2@11447.98,13347.42 ; U7.1@11723.49,12879.72 U7.2@11749.08,12879.72 U7.3@11774.67,12879.72 U7.4@11800.26,12879.72 11818,12879.72 11818,12908 cw(c11843,12908) 11843,12933 12054,12933 ; U7.14@12056.17,12868 U7.14@12056.17,12879.72 12056.17,12930.83 ccw(c12054,12930.83) 12054,12933 ; U2.1@12273.32,12787.07 12273.32,12901.72 ccw(c12242.04,12901.72) 12242.04,12933 12054,12933 ; U2.12@12273.32,13653.21 12401.54,13653.21 cw(c12401.54,13621.07) 12433.68,13621.07 P5.16@12433.68,13525.25 ; U1.30@13195.32,12349.13 U1.30@13195.32,12377 ; U1.59@14138,13207.05 U1.60@14349.96,13207.05 ; Q1.2@14307.16,11775.48 14308,11776.32 v2(14308,11820)
  Top Layer w30: C3.1@11338.17,13346.81 C1.2@11447.37,13346.81 ; P4.4@11363.67,11713.31 11565.31,11713.31 11650,11798 P3.3@11792.38,11798.02 11952,11798.02 ; v2(11438,13158) C5.1@11438,13211.56 ; C5.1@11447.98,13221.55 C1.2@11447.98,13347.42 ; v2(11812,13021) 11812,13140 ; 11984,12403 11983.42,12403 C6.2@11983.42,12325.02 C7.2@12074.42,12325.02 ; v2(12369,12274) C10.1@12369,12046.98 ; C10.1@12393.58,12046.98 C10.1@12369,12046.98 ; J1.SH3@12400.1,11573.32 J1.SH4@12754.43,11573.32 12930.91,11573.32 ccw(c12930.91,11673.32) 13030.91,11673.32 U6.5@13030.91,11679.19 13780.69,11679.19 ccw(c13780.69,11734.2) K1.2@13835.71,11734.2 ; J1.SH1@12400.1,11793.8 ccw(c12395.88,11793.8) 12395.88,11798.02 11952,11798.02 ; v2(13194,12377) 13194,12399 cw(c13229,12399) 13195.32,12408.5 cw(c13229,12399) 13229,12434 13353,12434 ccw(c13353,12476.32) 13395.32,12476.32 U1.33@13395.32,12581.42 13395.32,13111 cw(c13495.32,13111) 13495.32,13211 v2(13561,13211) ; v2(13716,13211) 14346.01,13211 cw(c14346.01,13207.05) U1.60@14349.96,13207.05 ; U1.24@14095.5,13733.46 U1.23@14095.5,13965.75 ; 11952,11798.02 cw(c11952,11808.02) 11942,11808.02 11942,11984 cw(c12004.98,11984) 12004.98,12046.98 C8.1@12219.58,12046.98 C9.1@12307.58,12046.98 C10.1@12369,12046.98
  Top Layer w50: P1.4@10445.5,14384 10445.5,14067.5 ccw(c10524,14067.5) 10524,13989 11238.17,13989 cw(c11238.17,13889) 11338.17,13889 11338.17,13837 ; C4.1@11338.17,13600.81 11338.17,13837 ; v3(12437,13841) 11342.17,13841 ccw(c11342.17,13837) 11338.17,13837
  Bottom Layer w20: J1.SH4@12754.43,11573.32 J1.SH2@12754.43,11793.8 ; v2(13835,11731) 13835,11774.56 cw(c13880.44,11774.56) 13880.44,11820 v2(14308,11820)
  Bottom Layer w30: v2(11438,13158) 11438,13075.97 ccw(c11492.97,13075.97) 11492.97,13021 v2(11812,13021) 12273.32,13021 ; v2(11983,12373) 11983,12422 ; v2@12365,12280 12365,12322 ccw(c12265,12322) 12265,12422 11983,12422 ; J1.SH3@12400.1,11573.32 cw(c12400.1,11605.43) 12368,11605.43 12368,11761.69 cw(c12400.1,11761.69) J1.SH1@12400.1,11793.8 ; v3@12435,13841 12435,13121 cw(c12335,13121) 12335,13021 12273.32,13021 ; v2(13194,11675) v2(13194,12377) ; v2(13561,13211) v2(13716,13211) ; v2(14093,13700) 14093,13637 cw(c14056,13637) 14056,13600 13998,13600 ccw(c13998,13531) 13929,13531 13929,13353 ccw(c13979,13353) 13979,13303 14088.8,13303 cw(c14088.8,13253.8) 14138,13253.8 v2(14138,13206) ; 11983,12422 11983,12687.07 cw(c12083,12687.07) 12083,12787.07 U2.1@12273.32,12787.07 12273.32,13021
  Bottom Layer w50: v3(10445.24,14314.76) P2.4@10610.83,14314.76
  other v1: 12415,13525 12449,13525
EPHY_RX_N: U1.54 U2.10 U3.6 | length 5992.6
  Top Layer w10: U2.10@12273.32,13495.73 12290.05,13479 12491,13479 ccw(c12491,13507) 12519,13507 12519,13546 cw(c12569,13546) 12569,13596 13571,13596 cw(c13571,13496) 13671,13496 13671,13000.09 ccw(c13709.9,13000.09) 13709.9,12961.19 14295.82,12961.19 cw(c14295.82,12907.05) U1.54@14349.96,12907.05
  Bottom Layer w10: U3.6@11065.74,11759.65 11065.74,11759 10933,11759 cw(c10933,11800) 10892,11800 10892,12060 cw(c10933,12060) 10933,12101 10966,12101 ccw(c10966,12116) 10981,12116 10981,13422.68 cw(c11054.05,13422.68) 11054.05,13495.73 U2.10@12273.32,13495.73
EPHY_RX_P: U1.53 U2.9 U3.3 | length 5455
  Top Layer w10: U2.9@12273.32,13416.99 cw(c12316.32,13416.99) 12316.32,13460 12502,13460 ccw(c12502,13497) 12539,13497 12539,13532.99 cw(c12579,13532.99) 12579,13572.99 cw(c12586.96,13542.04) 12586.96,13574 13569.47,13574 cw(c13569.47,13495.12) 13648.35,13495.12 13648.35,13419.33 cw(c13596.09,13406.09) 13650,13406.09 13650,12955.05 ccw(c13698,12955.05) 13698,12907.05 U1.53@14117.68,12907.05 U1.53@14137.05,12907.05
  Bottom Layer w10: U3.3@10965.74,11909.65 10926.01,11909.65 cw(c10926.01,11923.65) 10912,11923.65 10912,12054 cw(c10937,12054) 10937,12079 10979.25,12079 ccw(c10979.25,12099.75) 11000,12099.75 11000,13367.99 cw(c11049,13367.99) 11049,13416.99 U2.9@12273.32,13416.99
EPHY_TX_N: U1.52 U2.8 U3.2 | length 5208.6
  Top Layer w10: U2.8@12273.32,13338.25 12289.25,13338.25 12335,13384 13579.29,13384 cw(c13579.29,13333.29) 13630,13333.29 13630,12923.49 ccw(c13685.49,12923.49) 13685.49,12868 14289.01,12868 cw(c14289.01,12807.05) U1.52@14349.96,12807.05
  Bottom Layer w10: U3.2@11065.74,11959.65 cw(c11065.74,11987.39) 11038,11987.39 11038,13287.18 cw(c11089.07,13287.18) 11089.07,13338.25 U2.8@12273.32,13338.25
EPHY_TX_P: U1.51 U2.7 U3.1 | length 5344.6
  Top Layer w10: U2.7@12273.32,13259.51 12376.8,13363 13562.83,13363 cw(c13562.83,13318.83) 13607,13318.83 13607,12813.98 ccw(c13676.98,12813.98) 13676.98,12744 14081,12744 ccw(c14081,12780.68) 14117.68,12780.68 U1.51@14117.68,12807.05
  Bottom Layer w10: U3.1@10965.74,12009.65 10965.74,12045.74 cw(c10982,12045.74) 10982,12062 10993.25,12062 ccw(c10993.25,12086.75) 11018,12086.75 11018,13333 cw(c11063,13333) 11063,13378 12303.37,13378 cw(c12303.37,13358.37) 12323,13358.37 12323,13279 cw(c12303.51,13279) 12303.51,13259.51 U2.7@12273.32,13259.51
GND: C11.2 C12.2 C13.1 C14.2 C15.2 L2.2 L3.2 P6.2 P7.2 P8.2 R17.2 R20.2 T5.1 U2.16 U3.8 U3.13 U3.14 U9.2 U10.3 | length 11385.4
  Top Layer w20: 10882,13893.99 10882,13647.58 ccw(c10929.08,13647.58) 10929.08,13600.5 R17.2@11040.66,13600.5 cw(c11040.66,13593.56) 11047.6,13593.56 U9.2@11047.6,13516 11047.6,13228.44 R20.2@11036.66,13217.5
  Top Layer w80: 9884.25,13700 10545,13700 ; P8.2@9884.25,13816.91 P8.2@9953.17,13885.83 ; P6.2@9901.57,12527.98 ccw(c9953.17,12527.98) P6.2@9953.17,12476.38 ; 9901.57,12656 10451.97,12656 cw(c10451.97,12556) 10551.97,12556 C12.2@10551.97,12476.38 ; C11.2@10544.09,13870.08 10544.09,13700.91 ccw(c10545,13700.91) 10545,13700 ; L3.2@11173.63,13799.11 11228,13799.11 11228,13872 ccw(c11191,13872) 11191,13909 10926,13909 ccw(c10926,13837) 10882,13893.99 ccw(c10926,13837) 10854,13837 10854,13800 cw(c10754,13800) 10754,13700 10545,13700
  Bottom Layer w30: U3.13@10835.74,12139.57 cw(c10840.17,12139.57) 10840.17,12144 10895,12144 ccw(c10895,12183.73) 10934.73,12183.73 U2.16@10934.73,12787.07 ; U3.8@11065.74,11659.65 11065.74,11489.26 ccw(c11074,11489.26) 11074,11481 ; 12886,11481 ccw(c12892,11481) 12892,11475 14355.41,11475 ccw(c14355.41,11509.59) 14390,11509.59 T5.1@14390,11553
  Bottom Layer w60: U3.14@10835.74,11529.33 10835.74,11581
  Bottom Layer w70: U3.13@10835.74,12139.57 10835.74,11581 ccw(c10935.74,11581) 10935.74,11481 11074,11481 12886,11481 ccw(c12886,11581) 12986,11581 12986,13459
  Bottom Layer w80: C12.2@10551.97,12476.38 10551.97,12376.12 ccw(c10622.09,12376.12) 10622.09,12306 10772.28,12306 cw(c10772.28,12242.54) 10835.71,12244.33 ; 10835.7,12208.82 cw(c10735.74,12206) 10835.74,12206 ; U3.13@10835.74,12139.57 10835.74,12206 ; 10835.74,12242.54 10835.74,12206
  other v1: 14650,11488 10334,11495 9684,11531.57 14650,11582.5 10334,11595.71 9684,11629.86 14650,11677 10334,11696.43 9684,11728.14 14650,11771.5 10334,11797.14 9684,11826.43 14650,11866 10334,11897.86 9684,11924.71 14650,11960.5 10334,11998.57 9684,12023 14650,12055 10334,12099.29 9684,12121.29 10334,12200 9684,12219.57 9677,12411 9746,12413 14650,12486 9746,12499.25 9677,12507.06 9746,12585.5 14650,12585.67 9677,12603.12 9746,12671.75 14650,12685.33 9677,12699.19 9746,12758 14650,12785 9677,12795.25 14650,12884.67 9677,12891.31 14650,12984.33 9677,12987.38 9677,13083.44 14650,13084 9677,13179.5 9677,13275.56 14650,13332 9677,13371.62 14650,13425.67 12967,13440 13002,13440 9677,13467.69 12967,13474 13002,13474 14650,13519.33 9677,13563.75 9743,13604 14650,13613 9677,13659.81 9743,13690.25 14650,13706.67 9677,13755.88 9743,13776.5 14650,13800.33 9677,13851.94 9743,13862.75 14650,13894 9677,13949 9743,13949 9682,14133 9682,14235.14 14650,14294 13892.5,14304 13994,14304 14095.5,14304 12758,14325 12918,14325 12837,14327 11558,14330 11643.5,14330 11741,14330 9682,14337.29 13900,14385 13994.5,14385 14089,14385 14650,14396.4 12758,14404.5 12918,14404.5 12837,14406.5 11741,14415 11554,14416 11647.5,14416 9682,14439.43 12758,14484 12918,14484 12837,14486 11551,14496 11654,14496 11741,14496 14650,14498.8 9682,14541.57 14650,14601.2 9682,14643.71 14650,14703.6 9682,14745.86 10298,14774 12748,14776 10387,14777 12840.5,14778 12933,14778 13988.5,14790 14088,14791 13889,14794 14650,14806 9682,14848 10299,14865 10387,14865 12748,14875 12840.5,14875 12933,14875 13889,14875 13991.5,14875 14094,14875
I2C0_SCL: R8.1 U1.29 U7.26 | length 2790
  Top Layer w10: R8.1@11833.51,13352.8 11882.2,13352.8 cw(c11882.2,13336) 11899,13336 11899,13223.71 cw(c11861.29,13223.71) 11861.29,13186 11795,13186 ccw(c11795,13165.67) 11774.67,13165.67 U7.26@11774.67,13131.68 11774.67,12999.67 cw(c11747,12999.67) 11747,12972 11712,12972 ccw(c11712,12939) 11679,12939 11679,12831 ccw(c11704,12831) 11704,12806 11733.77,12806 cw(c11733.77,12778.77) 11761,12778.77 11761,12507.25 ccw(c11793.25,12507.25) 11793.25,12475 13023.69,12475 ccw(c13023.69,12506.31) 13055,12506.31 13055,12625.63 cw(c13075.37,12625.63) 13075.37,12646 13175.28,12646 cw(c13175.28,12625.96) 13195.32,12625.96 U1.29@13195.32,12581.42
I2C0_SDA: R9.1 U1.27 U7.27 | length 2426.1
  Top Layer w10: R9.1@11833.51,13261.8 ccw(c11833.51,13256.28) 11828,13256.28 11828,13232 cw(c11807,13232) 11807,13211 11782.72,13211 ccw(c11782.72,13177.36) 11749.08,13177.36 U7.27@11749.08,13131.68 11749.08,13016.08 cw(c11729,13016.08) 11729,12996 11702,12996 ccw(c11702,12954) 11668.54,12979.39 ccw(c11702,12954) 11660,12954 11660,12823 ccw(c11695,12823) 11682.79,12790.2 ccw(c11695,12823) 11695,12788 11719,12788 cw(c11719,12763) 11744,12763 11744,12493.38 ccw(c11779.94,12493.38) 11779.94,12457.43 13054.7,12457.43 ccw(c13054.7,12498.04) 13095.32,12498.04 U1.27@13095.32,12581.42
I2C1_SCL: P1.2 R10.7 U1.15 | length 4419.7
  Top Layer w10: P1.2@10445.5,14493.75 10488.25,14493.75 cw(c10488.25,14477) 10505,14477 10505,14101.45 ccw(c10559.45,14101.45) 10559.45,14047 13671.51,14047 cw(c13671.51,14023.01) 13695.5,14023.01 U1.15@13695.5,13965.75 13704.71,13956.54 cw(c13634,13885.83) 13734,13885.83 13734,13470.16 ccw(c13760.16,13470.16) 13760.16,13444 13835,13444 cw(c13835,13430.99) 13848.01,13430.99 R10.7@13848.01,13392
I2C1_SDA: P1.3 R10.5 U1.17 | length 4490.1
  Top Layer w10: v1(10534,14367) 10534,14115 ccw(c10584,14115) 10584,14065 13754.5,14065 cw(c13754.5,14024) 13795.5,14024 U1.17@13795.5,13965.75 13782.29,13952.53 ccw(c13853,13881.82) 13753,13881.82 13753,13478 ccw(c13767,13478) 13767,13464 13856.5,13464 cw(c13856.5,13441) 13879.5,13441 R10.5@13879.5,13392
  Bottom Layer w10: v1(10430,14442) 10510,14442 cw(c10510,14418) 10534,14418 v1(10534,14367)
I2C2_SCL: P5.13 R10.1 U1.64 | length 3910.6
  Top Layer w10: v1(12595,14165) 14393,14165 cw(c14393,14091) 14467,14091 14467,13507.05 cw(c14367,13507.05) 14367,13407.05 U1.64@14349.96,13407.05 cw(c14309.91,13407.05) 14309.91,13367 13967.5,13367 cw(c13967.5,13392) R10.1@13942.5,13392 ; v1(12596,13442) ccw(c12612.75,13442) 12612.75,13425.25 P5.13@12658.09,13425.25
  Bottom Layer w10: v1(12596,13442) v1@12596,14164